# Altium PCB DM2097_R0M0E0.PcbDoc (part 6 of 7) (continued)
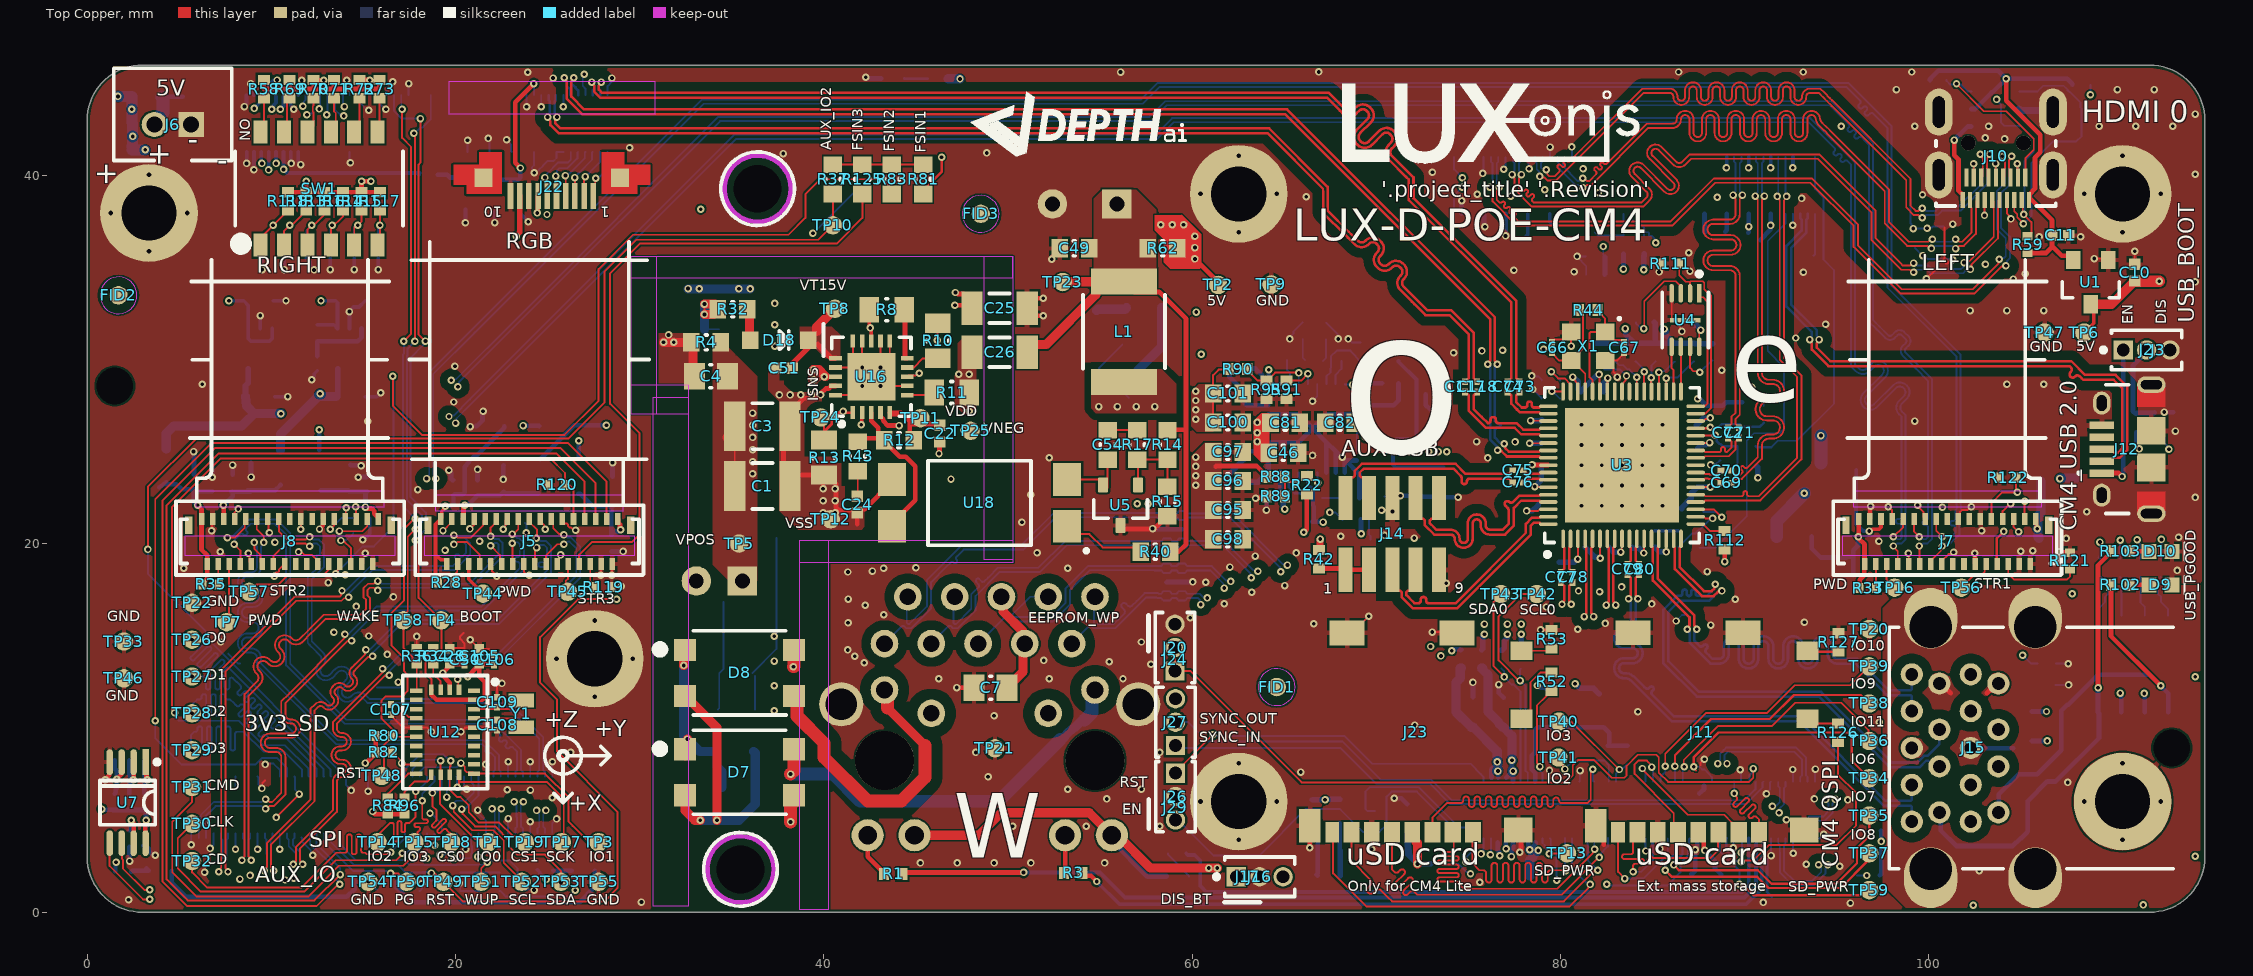
[diagram p0: Top Copper view]
## Nets (pads, with @x,y where several pads share a name; then routed paths per layer and width w, separated by ;. In a path a pad name is that pad's centre, name@x,y a point inside that pad or via, vN(x,y) a via of type N, cw(c..) or ccw(c..) an arc to the next point about the centre after c; other vN are vias at no path point) (continued)
SSTX1'_N: C74.1 U3.53 | length 3
  Top Copper w0.135: C74.1@77.14,28.25 77.14,28.23 77.232,28.138 77.258,28.138 77.337,28.058 77.337,27.611 77.647,27.301 77.647,27.297
  Top Copper w0.139: 77.647,27.297 77.798,27.146 78.863,27.146 78.933,27.076 U3.53@79.351,27.076
SSTX1'_P: C73.1 U3.52 | length 3
  Top Copper w0.135: C73.1@77.79,28.25 77.79,28.23 77.698,28.138 77.672,28.138 77.592,28.058 77.592,27.716 77.902,27.407 77.906,27.407
  Top Copper w0.139: 77.906,27.407 78,27.407 78.069,27.407 ccw(c78.069,27.545) 78.208,27.545 78.208,27.611 cw(c78.329,27.611) 78.451,27.611 78.451,27.545 ccw(c78.589,27.545) 78.589,27.407 78.844,27.407 78.863,27.407 78.933,27.476 U3.52@79.351,27.476
SSTX1_N: C74.2 J21.96 | length 64.9
  Top Copper w0.139: v1(27.406,45.078) 27.406,45.006 27.531,44.881 27.531,44.56 27.853,44.237 67.322,44.237 68.027,43.532 68.167,43.393 ; 68.168,43.391 ccw(c68.555,43.779) 68.943,43.392 69.07,43.52 cw(c69.276,43.316) 69.481,43.52 69.525,43.476 cw(c69.321,43.271) 69.525,43.066 68.906,42.447 68.906,42.443 ccw(c69.331,42.097) 68.945,41.709 68.988,41.666 ccw(c69.377,42.052) 69.765,41.665 ; 69.765,41.665 70.345,42.245 ; 70.346,42.246 cw(c70.55,42.042) 70.755,42.246 70.8,42.201 cw(c70.596,41.996) 70.8,41.791 70.672,41.663 ccw(c71.059,41.275) 70.672,40.887 71.626,39.933 ; 71.627,39.932 71.767,39.792 71.767,38.673 77.336,33.104 77.336,29.002 77.254,28.921 77.231,28.921 77.14,28.83 C74.2@77.14,28.81
  Bottom Copper w0.139: v1(27.406,45.078) 27.406,45.023 27.531,44.898 27.531,44.667 27.513,44.649 27.481,44.649 27.46,44.628 J21.96@27.46,44.368
SSTX1_P: C73.2 J21.98 | length 64.9
  Top Copper w0.139: v1(27.914,45.078) 27.914,45.006 27.789,44.881 27.789,44.667 27.96,44.496 67.429,44.496 68.21,43.715 68.35,43.575 ccw(c68.555,43.779) 68.76,43.575 68.926,43.742 68.93,43.742 cw(c69.276,43.316) 69.664,43.703 69.708,43.659 cw(c69.321,43.271) 69.708,42.883 69.128,42.303 ccw(c69.331,42.097) 69.127,41.892 69.172,41.848 ccw(c69.377,42.052) 69.582,41.848 ; 69.582,41.848 70.201,42.467 70.205,42.467 cw(c70.55,42.042) 70.938,42.429 ; 70.855,41.48 ccw(c71.059,41.275) 70.855,41.07 71.809,40.116 ; 70.855,41.481 70.983,41.608 ccw(c70.596,41.996) 70.983,42.384 70.939,42.428 ; 71.81,40.115 71.95,39.975 72.026,39.899 72.026,39.648 72.026,38.78 77.594,33.211 77.594,29.002 77.676,28.921 77.699,28.921 77.79,28.83 C73.2@77.79,28.81
  Bottom Copper w0.139: J21.98@27.86,44.368 27.86,44.628 27.839,44.649 27.807,44.649 27.789,44.667 27.789,44.881 27.914,45.006 v1(27.914,45.078)
SSTX2'_N: C76.1 U3.62 | length 2.1
  Top Copper w0.139: C76.1@77.978,23.343 77.998,23.343 78.089,23.433 78.089,23.459 78.17,23.54 78.631,23.54 78.635,23.543 78.866,23.543 ; 78.344,23.546 78.863,23.546 78.866,23.543 ; U3.62@79.351,23.476 U3.62@78.934,23.476 ; 78.866,23.543 78.933,23.476 U3.62@78.934,23.476 ; 78.866,23.543 78.867,23.543 U3.62@78.934,23.476
SSTX2'_P: C75.1 U3.61 | length 1.5
  Top Copper w0.139: C75.1@77.979,24.003 77.999,24.003 78.089,23.912 78.089,23.887 78.17,23.806 78.521,23.806 78.525,23.809 78.867,23.809 78.934,23.876 U3.61@79.351,23.876
SSTX2_N: C76.2 J14.4 | length 10.8
  Top Copper w0.139: J14.4@69.605,22.492 69.605,23.312 69.295,23.623 69.184,23.623 69.103,23.704 69.103,23.864 69.327,24.089 69.403,24.089 71.811,24.089 74.128,24.089 74.199,24.089 74.592,23.696 cw(c74.489,23.592) 74.635,23.592 74.635,23.394 ccw(c74.781,23.394) 74.926,23.394 cw(c75.072,23.394) 75.072,23.54 75.543,23.54 77.226,23.54 77.307,23.459 77.307,23.433 77.398,23.343 C76.2@77.418,23.343
SSTX2_P: C75.2 J14.2 | length 10.8
  Top Copper w0.139: J14.2@68.335,22.492 68.335,23.312 68.646,23.623 68.756,23.623 68.837,23.704 68.837,23.974 69.217,24.354 69.403,24.354 71.811,24.354 74.309,24.354 74.858,23.806 77.227,23.806 77.308,23.887 77.308,23.912 77.399,24.003 C75.2@77.419,24.003
SSTX3'_N: C78.1 U3.2 | length 2
  Top Copper w0.139: 80.476,18.926 80.476,18.888 ; U3.2@80.551,20.276 80.551,19.858 80.481,19.789 80.481,18.893 80.476,18.888 ; C78.1@80.67,18.466 80.67,18.486 80.577,18.579 80.555,18.579 80.476,18.658 80.476,18.888
SSTX3'_P: C77.1 U3.1 | length 1.9
  Top Copper w0.139: C77.1@80.021,18.466 80.021,18.486 80.115,18.579 80.137,18.579 80.215,18.658 80.215,18.996 80.22,19.001 80.22,19.789 80.151,19.858 U3.1@80.151,20.276
SSTX3_N: C78.2 J15.8 | length 32.4
  Top Copper w0.139: v1(80.598,16.719) 80.598,16.791 80.476,16.912 80.476,17.255 80.479,17.257 80.479,17.715 80.56,17.796 80.58,17.796 80.67,17.886 C78.2@80.67,17.906
  Signal Layer 1 w0.102: v1(80.598,16.719) 80.598,16.658 80.447,16.507 80.447,14.845 80.561,14.731 80.597,14.695 80.689,14.603 ccw(c80.761,14.675) 80.833,14.603 80.854,14.623 cw(c80.926,14.551) 80.998,14.623 cw(c80.926,14.551) 80.998,14.479 80.978,14.459 ccw(c81.05,14.387) 80.978,14.314 81.122,14.17 81.158,14.134 83.564,11.728 93.338,11.728 95.436,9.63 95.515,9.551 95.545,9.522 ccw(c95.795,9.771) 96.045,9.522 96.24,9.717 cw(c96.636,9.322) 97.031,9.718 ; 97.032,9.717 cw(c96.636,9.323) 97.062,8.96 97.062,8.957 96.835,8.731 ccw(c97.085,8.481) 96.835,8.231 97.219,7.848 97.297,7.769 97.525,7.541 97.525,6.6 98.099,6.026 99.534,6.026 100.084,6.576 101.22,6.576 101.773,6.022 101.956,6.022 102.1,6.166 102.1,6.735 J15.8@102.285,6.919
SSTX3_P: C77.2 J15.9 | length 32.4
  Top Copper w0.139: C77.2@80.021,17.906 80.021,17.886 80.112,17.796 80.132,17.796 80.213,17.714 80.213,17.518 80.211,17.516 80.211,16.912 80.09,16.791 v1(80.09,16.719)
  Signal Layer 1 w0.102: v1(80.09,16.719) 80.09,16.658 80.241,16.507 80.241,14.76 81.012,13.988 83.479,11.522 93.253,11.522 95.291,9.484 95.369,9.406 95.399,9.376 ccw(c95.795,9.771) 96.191,9.376 96.386,9.572 cw(c96.636,9.322) 96.886,9.572 cw(c96.636,9.323) 96.886,9.073 ; 96.885,9.072 96.69,8.877 ccw(c97.085,8.481) 96.69,8.085 97.073,7.702 97.152,7.623 97.319,7.456 97.319,6.515 98.014,5.82 99.62,5.82 100.169,6.37 101.134,6.37 101.688,5.816 101.865,5.816 101.865,5.564 102.285,5.145 J15.9@102.285,4.919
SSTX4'_N: C80.1 U3.11 | length 1.5
  Top Copper w0.139: U3.11@84.151,20.276 84.151,19.86 84.083,19.792 84.083,19.56 84.093,19.551 84.093,19.089 84.174,19.008 84.187,19.008 84.277,18.918 C80.1@84.277,18.898
SSTX4'_P: C79.1 U3.10 | length 1.5
  Top Copper w0.139: C79.1@83.642,18.898 83.642,18.918 83.733,19.008 83.746,19.008 83.827,19.089 83.827,19.441 83.818,19.45 83.818,19.792 83.751,19.86 U3.10@83.751,20.276
SSTX4_N: C80.2 J15.17 | length 27.8
  Top Copper w0.139: v1(84.214,17.018) 84.214,17.09 84.093,17.212 84.093,18.146 84.174,18.227 84.187,18.227 84.277,18.318 C80.2@84.277,18.338
  Bottom Copper w0.139: v1(84.214,17.018) 84.093,16.897 84.093,16.453 84.093,16.441 84.086,16.434 84.086,15.689 cw(c83.547,15.689) 83.547,15.15 83.457,15.15 ccw(c83.457,14.877) 83.184,14.877 ccw(c83.457,14.877) 83.457,14.603 83.929,14.603 cw(c83.929,14.064) 84.468,14.064 cw(c83.929,14.064) 83.929,13.525 83.457,13.525 ccw(c83.457,13.252) 83.184,13.252 ccw(c83.457,13.252) 83.457,12.979 83.479,12.979 cw(c83.479,12.152) 84.063,12.736 84.359,12.441 84.571,12.228 84.62,12.179 ccw(c84.718,12.277) 84.816,12.179 84.863,12.226 cw(c84.948,12.141) 85.033,12.226 cw(c84.948,12.141) 85.033,12.056 84.986,12.009 ccw(c85.084,11.911) 84.986,11.813 85.609,11.191 85.658,11.142 86.154,10.646 93.072,10.646 97.666,6.052 99.004,6.052 99.085,6.133 J15.17@99.085,6.919
SSTX4_P: C79.2 J15.18 | length 27.8
  Top Copper w0.139: C79.2@83.642,18.338 83.642,18.318 83.733,18.227 83.746,18.227 83.827,18.146 83.827,17.212 83.706,17.09 v1(83.706,17.018)
  Bottom Copper w0.139: v1(83.706,17.018) 83.827,16.897 83.827,16.551 83.82,16.544 83.82,16.453 83.82,15.689 cw(c83.547,15.689) 83.547,15.416 83.457,15.416 ccw(c83.457,14.877) 82.918,14.877 ccw(c83.457,14.877) 83.457,14.338 83.929,14.338 cw(c83.929,14.064) 84.202,14.064 cw(c83.929,14.064) 83.929,13.791 83.457,13.791 ccw(c83.457,13.252) 82.918,13.252 ccw(c83.457,13.252) 83.457,12.713 83.479,12.713 cw(c83.479,12.152) 83.876,12.548 83.983,12.441 86.044,10.38 92.962,10.38 97.556,5.786 99.004,5.786 99.085,5.705 J15.18@99.085,4.919
SSXI: C67.2 R44.1 U3.47 X1.1 | length 6.7
  Top Copper w0.102: U3.47@81.751,28.276 81.751,28.882 81.589,29.044 81.589,31.449 81.649,31.509 X1.1@82.434,31.509 ; R44.1@82.009,32.69 82.009,32.64 82.434,32.215 X1.1@82.434,31.509 ; C67.2@83.464,30.938 83.464,30.958 83.355,31.067 82.926,31.067 82.484,31.509 X1.1@82.434,31.509
SSXO: C66.2 R44.2 U3.48 X1.3 | length 6.3
  Top Copper w0.102: C66.2@79.553,30.378 79.553,30.358 79.952,29.959 X1.3@80.584,29.959 X1.3@80.634,29.959 ; R44.2@81.009,32.69 81.233,32.466 81.233,32.342 81.236,32.338 81.236,30.611 81.033,30.408 81.033,30.358 X1.3@80.634,29.959 ; U3.48@81.351,28.276 81.351,29.242 X1.3@80.634,29.959
STRB2: J8.10 TP57.1 | length 5.1
  Top Copper w0.102: TP57.1@8.8,17.4 9.2,17.8 10.4,17.8 10.9,18.3 12.831,18.3 13.1,18.569 13.1,18.896 J8.10@13.12,18.916
STRBL: J7.10 TP56.1 | length 2.1
  Top Copper w0.102: TP56.1@101.775,17.625 102.396,18.246 102.796,18.246 103.049,18.499 103.049,18.845 J7.10@103.12,18.916
STROBE3: J5.10 TP45.1 | length 1.6
  Top Copper w0.102: TP45.1@26.1,17.4 25.993,17.507 25.993,17.993 26.12,18.12 J5.10@26.12,18.916
SWO: D16.2 T1.3 U16.18 | length 0.8
  Top Copper w0.5: v1(39.449,29.47) 39.716,29.47 v1@40.088,29.099
  other v1: 39.458,28.924 40.024,29.079
SYS_RST: J21.89 J22.6 | length 3.3
  Top Copper w0.102: v1(24.858,39.894) 24.858,39.824 24.989,39.693 J22.6@24.989,38.896
  Bottom Copper w0.102: v1(24.858,39.894) 24.858,39.976 24.964,40.081 24.964,40.088 25.591,40.715 26.115,40.715 26.26,40.86 J21.89@26.26,41.288
TCK: J21.97 J22.2 | length 2.8
  Top Copper w0.102: J22.2@26.989,38.896 26.989,39.806 27.05,39.868 v1(27.05,39.95)
  Bottom Copper w0.102: v1(27.05,39.95) 27.065,39.95 27.656,40.541 27.86,40.745 J21.97@27.86,41.288
TDI: J21.95 J22.3 | length 2.8
  Top Copper w0.102: v1(26.484,39.896) 26.484,38.901 J22.3@26.489,38.896
  Bottom Copper w0.102: v1(26.484,39.896) 26.484,39.932 26.66,40.108 26.66,40.112 27.422,40.874 27.422,41.25 J21.95@27.46,41.288
TDO: J21.91 J22.5 | length 3.2
  Top Copper w0.102: v1(25.45,39.975) 25.489,39.936 J22.5@25.489,38.896
  Bottom Copper w0.102: v1(25.45,39.975) 25.508,40.033 25.508,40.176 25.52,40.187 25.52,40.281 25.636,40.397 26.084,40.397 26.621,40.933 26.621,41.249 J21.91@26.66,41.288
TESTEN: R29.1 U3.51 | length 1.2
  Top Copper w0.102: v1(79.543,28.297) 79.564,28.276 U3.51@80.151,28.276
  Bottom Copper w0.102: v1(79.543,28.297) 79.573,28.297 R29.1@79.973,27.897
TMS: J21.99 J22.1 | length 2.9
  Top Copper w0.102: J22.1@27.489,38.896 27.59,38.997 27.488,39.099 27.59,39.201 27.59,39.815 v1(27.625,39.85)
  Bottom Copper w0.102: v1(27.625,39.85) 27.707,39.85 27.807,39.95 27.825,39.95 28.26,40.385 J21.99@28.26,41.288
TRD1_N: D1.1 D1.10 J4.2 J9.10 | length 64
  Signal Layer 1 w0.102: v1(60.474,16.71) 60.532,16.651 60.706,16.651 61.976,15.382 61.976,14.01 61.976,13.83 61.976,13.539 62.319,13.195 ccw(c62.667,13.541) 63.015,13.195 63.024,13.203 ; 63.024,13.203 cw(c63.186,13.042) 63.348,12.879 62.816,12.348 ccw(c63.163,12) 62.815,11.654 ccw(c63.163,12) 62.816,11.653 ccw(c63.163,12) 62.817,11.651 ccw(c63.163,12) 63.467,11.614 63.472,11.614 64.042,12.185 cw(c64.205,12.023) 64.367,11.861 ; 64.366,11.86 63.835,11.329 ccw(c64.181,10.981) 64.485,10.596 64.49,10.596 65.06,11.166 cw(c65.223,11.005) 65.385,10.842 ; 65.384,10.842 64.853,10.311 ccw(c65.2,9.963) 65.504,9.578 65.508,9.578 66.079,10.148 cw(c66.242,9.986) 66.404,10.149 cw(c66.242,9.986) 66.403,9.824 ; 66.403,9.823 65.872,9.292 ccw(c66.218,8.944) 66.522,8.559 66.527,8.559 67.097,9.129 ; 67.097,9.13 cw(c67.26,8.968) 67.422,8.806 ; 67.421,8.805 66.89,8.274 ccw(c67.237,7.926) 67.541,7.541 67.545,7.541 68.116,8.111 cw(c68.278,7.95) 68.44,7.787 ; 68.44,7.787 67.909,7.255 ccw(c68.255,6.908) 67.907,6.562 ccw(c68.255,6.908) 67.908,6.561 ccw(c68.255,6.908) 67.909,6.559 ccw(c68.255,6.908) 68.559,6.522 68.564,6.522 69.134,7.093 cw(c69.297,6.931) 69.459,6.769 ; 69.458,6.768 68.927,6.237 ccw(c69.273,5.889) 69.577,5.504 69.582,5.504 69.633,5.555 cw(c69.796,5.394) 69.958,5.556 ; 69.959,5.555 70.087,5.427 70.489,5.025 88.068,5.025 88.07,5.028 91.325,5.028 91.639,5.342 91.816,5.342 v1(91.875,5.4)
  Bottom Copper w0.102: J4.2@53.46,14.589 54.422,15.55 54.506,15.55 54.632,15.423 55.843,15.423 57.517,17.098 58.054,17.098 58.089,17.063 58.325,17.063 58.385,17.003 58.385,16.976 58.434,16.927 D1.1@58.616,16.927 58.799,16.927 58.848,16.976 58.848,17.003 58.908,17.063 59.16,17.063 59.22,17.003 59.22,16.976 59.269,16.927 D1.10@59.451,16.927 59.634,16.927 59.683,16.976 59.683,17.003 59.743,17.063 59.979,17.063 59.981,17.065 60.316,17.065 60.423,16.958 60.423,16.761 v1(60.474,16.71) ; v1(91.875,5.4) 91.888,5.414 91.888,5.612 92.145,5.868 92.145,6.753 92.231,6.839 J9.10@92.231,7.089
TRD1_P: D1.2 D1.9 J4.1 J9.12 | length 64.1
  Signal Layer 1 w0.102: v1(60.833,17.069) 60.891,17.01 60.891,16.836 62.237,15.49 62.237,14.272 62.237,13.83 62.237,13.647 62.505,13.379 ccw(c62.667,13.541) 62.83,13.379 62.839,13.388 cw(c63.186,13.042) 63.572,12.738 63.572,12.733 63.001,12.163 ccw(c63.163,12) 63.001,11.838 ccw(c63.163,12) 63.325,11.838 ; 63.326,11.838 63.857,12.37 cw(c64.205,12.023) 64.59,11.719 64.59,11.714 64.02,11.144 ccw(c64.181,10.981) 64.344,10.819 ; 64.344,10.82 64.875,11.351 cw(c65.223,11.005) 65.609,10.701 65.609,10.696 65.038,10.126 ccw(c65.2,9.963) 65.362,9.801 ; 65.363,9.802 65.894,10.333 cw(c66.242,9.986) 66.588,10.334 ; 66.381,8.783 cw(c66.218,8.944) 66.056,9.107 66.627,9.678 66.627,9.682 ccw(c66.242,9.986) 66.589,10.333 ; 66.381,8.783 66.912,9.314 cw(c67.26,8.968) 67.645,8.664 67.645,8.659 67.075,8.089 ; 67.075,8.089 ccw(c67.237,7.926) 67.399,7.764 ; 67.4,7.765 67.931,8.296 cw(c68.278,7.95) 68.664,7.646 68.664,7.641 68.094,7.07 ccw(c68.255,6.908) 68.093,6.746 ccw(c68.255,6.908) 68.417,6.746 68.949,7.278 cw(c69.297,6.931) 69.682,6.627 69.682,6.622 69.112,6.052 ccw(c69.273,5.889) 69.436,5.727 ; 69.436,5.728 69.449,5.74 cw(c69.796,5.394) 70.144,5.74 70.272,5.612 70.597,5.287 87.961,5.287 87.964,5.285 91.218,5.285 91.457,5.523 91.457,5.701 v1(91.516,5.759)
  Bottom Copper w0.102: J4.1@54.73,17.129 54.667,17.066 54.667,15.712 54.727,15.652 55.748,15.652 56.093,15.997 56.307,16.211 ccw(c56.2,16.319) 56.307,16.427 56.202,16.532 cw(c56.31,16.639) 56.202,16.747 cw(c56.31,16.639) 56.418,16.747 56.523,16.642 ccw(c56.631,16.75) 56.738,16.642 56.99,16.894 57.423,17.327 58.148,17.327 58.183,17.292 58.325,17.292 58.385,17.351 58.385,17.378 58.434,17.427 D1.2@58.616,17.427 58.799,17.427 58.848,17.378 58.848,17.351 58.908,17.292 59.16,17.292 59.22,17.351 59.22,17.378 59.269,17.427 D1.9@59.451,17.427 59.634,17.427 59.683,17.378 59.683,17.351 59.743,17.292 59.885,17.292 59.887,17.294 60.41,17.294 60.584,17.12 60.782,17.12 v1(60.833,17.069) ; v1(91.516,5.759) 91.529,5.773 91.727,5.773 91.917,5.963 91.917,6.753 91.831,6.839 J9.12@91.831,7.089
TRD2_N: D1.4 D1.7 J4.6 J9.6 | length 66.1
  Signal Layer 1 w0.102: v1(61.747,17.602) 61.806,17.544 61.98,17.544 63.449,16.075 63.449,14.569 63.638,14.38 63.766,14.252 ccw(c64.114,14.599) 64.461,14.252 64.53,14.321 cw(c64.693,14.16) 64.855,13.997 ; 64.855,13.997 64.554,13.696 ccw(c64.9,13.348) 65.204,12.963 65.209,12.963 65.549,13.303 cw(c65.712,13.141) 65.874,13.304 cw(c65.712,13.141) 65.874,12.979 ; 65.873,12.978 65.572,12.678 ccw(c65.919,12.33) 66.223,11.945 66.228,11.945 66.567,12.284 cw(c66.73,12.123) 66.892,11.961 ; 66.891,11.96 66.591,11.659 ccw(c66.937,11.312) 67.241,10.926 67.246,10.926 67.586,11.266 cw(c67.749,11.105) 67.91,10.942 ; 67.91,10.942 67.609,10.641 ccw(c67.956,10.293) 67.607,9.947 ccw(c67.956,10.293) 67.609,9.946 ccw(c67.956,10.293) 67.61,9.945 ccw(c67.956,10.293) 68.26,9.908 68.264,9.908 68.604,10.248 cw(c68.767,10.086) 68.929,9.924 ; 68.928,9.923 68.628,9.623 ccw(c68.974,9.275) 69.278,8.889 69.283,8.889 69.623,9.229 ; 69.623,9.229 cw(c69.785,9.068) 69.947,8.905 69.878,8.836 ccw(c70.224,8.488) 69.878,8.14 70.284,7.734 70.497,7.521 74.34,7.521 75.536,6.325 87.916,6.325 88.927,7.335 88.927,7.869 89.05,7.993 v1(89.05,8.075)
  Bottom Copper w0.102: J4.6@48.38,14.589 49.875,16.084 49.959,16.084 50.019,16.024 50.019,15.988 50.212,15.795 52.456,15.795 53.363,16.702 53.363,17.49 54.444,18.571 57.936,18.571 57.945,18.563 58.325,18.563 58.385,18.503 58.385,18.476 58.434,18.427 D1.4@58.616,18.427 58.799,18.427 58.848,18.476 58.848,18.503 58.908,18.563 59.16,18.563 59.22,18.503 59.22,18.476 59.269,18.427 D1.7@59.451,18.427 59.634,18.427 59.683,18.476 59.683,18.503 59.743,18.563 60.984,18.563 61.696,17.851 61.696,17.653 v1(61.747,17.602) ; v1(89.05,8.075) 89.05,8.147 88.91,8.287 88.91,8.523 89.098,8.711 ; 89.098,8.712 90.6,8.712 91.875,8.712 92.71,8.712 93.117,8.305 93.117,7.424 93.031,7.339 J9.6@93.031,7.089
TRD2_P: D1.5 D1.6 J4.3 J9.4 | length 66.2
  Signal Layer 1 w0.102: v1(62.107,17.961) 62.165,17.903 62.165,17.729 63.711,16.183 63.711,14.677 63.823,14.565 63.951,14.437 ccw(c64.114,14.599) 64.276,14.437 64.346,14.506 cw(c64.693,14.16) 65.079,13.856 65.079,13.851 64.739,13.511 ccw(c64.9,13.348) 65.063,13.187 ; 65.063,13.187 65.364,13.488 cw(c65.712,13.141) 66.058,13.489 ; 66.059,13.488 cw(c65.712,13.141) 66.097,12.837 66.097,12.833 65.757,12.493 ccw(c65.919,12.33) 66.081,12.168 ; 66.082,12.169 66.382,12.469 cw(c66.73,12.123) 67.116,11.819 67.116,11.814 66.776,11.474 ccw(c66.937,11.312) 67.1,11.15 ; 67.1,11.15 67.401,11.451 cw(c67.749,11.105) 68.134,10.801 68.134,10.796 67.794,10.456 ccw(c67.956,10.293) 67.794,10.131 ccw(c67.956,10.293) 68.118,10.131 ; 68.119,10.132 68.419,10.433 ; 68.419,10.433 cw(c68.767,10.086) 69.152,9.782 69.152,9.777 68.813,9.438 ccw(c68.974,9.275) 69.136,9.113 ; 69.137,9.113 69.438,9.414 cw(c69.785,9.068) 70.171,8.764 70.171,8.759 70.063,8.651 ; 70.063,8.651 ccw(c70.224,8.488) 70.062,8.326 70.469,7.919 70.605,7.783 74.448,7.783 75.645,6.586 87.808,6.586 88.665,7.444 88.665,7.869 88.542,7.993 v1(88.542,8.075)
  Bottom Copper w0.102: J4.3@52.19,17.129 51.209,17.129 50.247,16.167 50.247,16.083 50.307,16.023 52.361,16.023 53.135,16.797 53.135,17.585 54.349,18.8 58.031,18.8 58.039,18.792 58.325,18.792 58.385,18.851 58.385,18.878 58.434,18.927 D1.5@58.616,18.927 58.799,18.927 58.848,18.878 58.848,18.851 58.908,18.792 59.16,18.792 59.22,18.851 59.22,18.878 59.269,18.927 D1.6@59.451,18.927 59.634,18.927 59.683,18.878 59.683,18.851 59.743,18.792 61.079,18.792 61.858,18.012 62.056,18.012 v1(62.107,17.961) ; v1(88.542,8.075) 88.542,8.147 88.682,8.287 88.682,8.618 88.87,8.806 ; 88.87,8.807 89.004,8.941 92.805,8.941 93.345,8.4 93.345,7.424 93.431,7.339 J9.4@93.431,7.089
TRD3_N: D2.5 D2.6 J4.8 J9.9 | length 66.8
  Signal Layer 1 w0.102: v1(63.221,18.161) 63.279,18.103 63.453,18.103 64.821,16.735 64.821,16.114 71.994,8.941 90.078,8.941 90.08,8.943 90.37,8.943 90.8,8.943 91.118,8.625 cw(c91.028,8.535) 91.118,8.445 91.021,8.347 ccw(c91.111,8.257) 91.021,8.167 ccw(c91.111,8.257) 91.202,8.167 91.299,8.264 cw(c91.389,8.173) 91.48,8.264 91.699,8.044 91.699,7.583 91.699,7.138 92.95,5.887 92.95,4.187 93.069,4.068 93.105,4.032 93.285,3.852 cw(c93.195,3.761) 93.285,3.671 93.261,3.647 ccw(c93.351,3.556) 93.261,3.466 ccw(c93.351,3.556) 93.442,3.466 93.466,3.49 cw(c93.556,3.4) 93.647,3.49 cw(c93.556,3.4) 93.647,3.31 93.623,3.285 ccw(c93.713,3.195) 93.623,3.104 ccw(c93.713,3.195) 93.803,3.104 93.828,3.129 cw(c93.918,3.038) 94.008,3.129 94.151,2.986 94.151,2.805 94.151,2.783 94.025,2.657 v1(94.025,2.575)
  Bottom Copper w0.102: J4.8@45.84,14.589 46.802,15.55 46.886,15.55 47.012,15.423 47.286,15.423 48.241,16.379 48.241,17.162 49.556,18.476 51.75,18.476 53.199,19.925 58.351,19.925 58.41,19.865 58.41,19.838 58.46,19.789 D2.6@58.642,19.789 58.825,19.789 58.874,19.838 58.874,19.865 58.933,19.925 59.186,19.925 59.245,19.865 59.245,19.838 59.295,19.789 D2.5@59.477,19.789 59.66,19.789 59.709,19.838 59.709,19.865 59.768,19.925 61.654,19.925 63.17,18.41 63.17,18.212 v1(63.221,18.161) ; J9.9@92.231,4.009 92.231,3.759 92.145,3.673 92.145,3.288 92.142,3.284 92.142,2.258 92.699,1.701 93.685,1.701 94.168,2.184 94.168,2.363 94.025,2.506 v1(94.025,2.575)
TRD3_P: D2.4 D2.7 J4.7 J9.11 | length 67.1
  Signal Layer 1 w0.102: v1(63.58,18.52) 63.638,18.462 63.638,18.288 65.082,16.843 65.082,16.222 72.102,9.202 90.184,9.202 90.186,9.2 90.906,9.2 91.956,8.15 91.956,7.244 93.207,5.993 93.207,4.293 94.407,3.093 94.407,2.783 94.533,2.657 v1(94.533,2.575)
  Bottom Copper w0.102: J4.7@47.11,17.129 47.047,17.066 47.047,15.712 47.107,15.652 47.191,15.652 48.013,16.474 48.013,17.257 48.104,17.348 48.405,17.649 ccw(c48.324,17.73) 48.405,17.811 48.296,17.919 cw(c48.377,18) 48.296,18.081 cw(c48.377,18) 48.458,18.081 48.567,17.972 ccw(c48.647,18.053) 48.728,17.972 48.926,18.17 49.461,18.705 51.656,18.705 53.104,20.153 58.351,20.153 58.41,20.213 58.41,20.24 58.46,20.289 D2.7@58.642,20.289 58.825,20.289 58.874,20.24 58.874,20.213 58.933,20.153 59.186,20.153 59.245,20.213 59.245,20.24 59.295,20.289 D2.4@59.477,20.289 59.66,20.289 59.709,20.24 59.709,20.213 59.768,20.153 61.749,20.153 63.331,18.571 63.529,18.571 v1(63.58,18.52) ; J9.11@91.831,4.009 91.831,3.759 91.917,3.673 91.917,3.288 91.92,3.284 91.92,2.166 92.608,1.479 93.777,1.479 94.39,2.092 94.39,2.363 94.533,2.506 v1(94.533,2.575)
TRD4_N: D2.2 D2.9 J4.10 J9.5 | length 67.7
  Signal Layer 1 w0.102: v1(64.821,18.491) 64.879,18.433 65.053,18.433 69.143,14.343 69.271,14.215 ccw(c69.619,14.562) 69.966,14.215 70.156,14.405 ; 70.156,14.405 cw(c70.319,14.244) 70.481,14.081 70.291,13.891 ccw(c70.637,13.543) 70.291,13.196 71.293,12.193 73.481,10.006 73.488,10.006 73.554,9.939 92.523,9.939 93.147,9.315 93.364,9.098 cw(c93.292,9.026) 93.364,8.955 ; 93.363,8.954 ccw(c93.408,8.909) 93.363,8.863 93.453,8.773 ccw(c93.499,8.818) 93.544,8.773 ; 93.545,8.774 cw(c93.616,8.702) 93.688,8.774 94.065,8.397 94.545,7.917 94.545,6.335 94.417,6.207 v1(94.417,6.125)
  Bottom Copper w0.102: J4.10@43.3,14.589 44.262,15.55 44.346,15.55 44.472,15.423 44.746,15.423 45.829,16.506 45.829,17.925 46.692,18.788 46.889,18.985 cw(c46.97,18.904) 47.051,18.985 ccw(c47.132,19.066) 47.213,18.985 ccw(c47.132,19.066) 47.213,19.147 cw(c47.294,19.228) 47.213,19.308 47.591,19.687 48.37,19.687 50.828,19.687 52.59,21.45 58.096,21.45 58.207,21.338 58.593,21.338 D2.9@58.642,21.289 58.825,21.289 58.874,21.338 58.874,21.365 58.933,21.425 59.186,21.425 59.245,21.365 59.245,21.338 59.295,21.289 D2.2@59.477,21.289 59.66,21.289 59.709,21.338 59.709,21.365 59.768,21.425 62.085,21.425 64.77,18.74 64.77,18.542 v1(64.821,18.491) ; J9.5@93.031,4.259 93.12,4.348 93.12,4.8 93.511,5.191 94.266,5.191 94.56,5.485 94.56,5.913 94.417,6.056 v1(94.417,6.125)
TRD4_P: D2.1 D2.10 J4.9 J9.3 | length 67.7
  Signal Layer 1 w0.102: v1(65.18,18.85) 65.238,18.792 65.238,18.618 69.328,14.528 69.456,14.4 ccw(c69.619,14.562) 69.781,14.4 ; 69.781,14.4 69.971,14.59 cw(c70.319,14.244) 70.704,13.94 70.704,13.935 70.476,13.706 ccw(c70.637,13.543) 70.475,13.381 71.478,12.378 73.661,10.195 92.63,10.195 93.329,9.496 94.801,8.024 94.801,6.331 94.925,6.207 v1(94.925,6.125)
  Bottom Copper w0.102: J4.9@44.57,17.129 44.507,17.066 44.507,15.712 44.567,15.652 44.651,15.652 45.6,16.601 45.6,18.019 47.497,19.916 50.733,19.916 52.495,21.678 58.146,21.678 58.207,21.74 58.593,21.74 D2.10@58.642,21.789 58.825,21.789 58.874,21.74 58.874,21.713 58.933,21.653 59.186,21.653 59.245,21.713 59.245,21.74 59.295,21.789 D2.1@59.477,21.789 59.66,21.789 59.709,21.74 59.709,21.713 59.768,21.653 62.18,21.653 64.931,18.901 65.129,18.901 v1(65.18,18.85) ; J9.3@93.431,4.009 93.431,4.259 93.342,4.348 93.342,4.709 93.602,4.969 94.357,4.969 94.782,5.393 94.782,5.913 94.925,6.056 v1(94.925,6.125)
TRST: J21.93 J22.4 | length 2.9
  Top Copper w0.102: v1(25.975,40) 25.989,39.986 J22.4@25.989,38.896
  Bottom Copper w0.102: v1(25.975,40) 26.057,40 26.165,40.108 26.186,40.108 26.193,40.108 26.336,40.252 27.021,40.936 27.021,41.249 J21.93@27.06,41.288
TVDAC: J13.11
USB3_LED: D9.2 R102.1 | length 1.1
  Top Copper w0.254: R102.1@110.903,17.777 111.939,17.777 D9.2@111.956,17.76
USB4_LED: D10.2 R103.1 | length 1.1
  Top Copper w0.254: R103.1@110.903,19.605 111.913,19.605 D10.2@111.964,19.554
USB_GND: C90.2 J15.Shell R110.2 | length 27.5
  GND 2 w0.5: v1(107.581,13.499) v1@107.581,13.693
  GND 2 w1: J15.Shell@105.785,2.349 107.581,4.145 v1(107.581,13.499) ; J15.Shell@105.785,15.489 v1@107.581,13.693
  GND 2 w2: J15.Shell@100.105,2.349 100.204,2.25 104.573,2.25 104.576,2.246 105.682,2.246 J15.Shell@105.785,2.349 ; J15.Shell@100.105,15.489 J15.Shell@105.785,15.489
  Bottom Copper w0.102: C90.2@106.875,12.33 106.889,12.344 v1(107.601,12.344) ; R110.2@106.923,13.5 106.924,13.499 v1(107.581,13.499)
  other v1: 102.75,2.25 107.549,7.048
USB_OTGID: J13.1 R64.2 | length 2.3
  Bottom Copper w0.102: R64.2@93.751,35.654 93.831,35.733 J13.1@93.831,37.928
USB_SPI_CLK: U3.35 U4.6 | length 2.4
  Top Copper w0.102: U4.6@86.542,30.706 86.546,30.701 86.546,28.281 U3.35@86.551,28.276
USB_SPI_CS: U3.34 U4.1 | length 7
  Top Copper w0.102: U3.34@87.351,27.476 87.369,27.495 87.872,27.495 87.986,27.609 87.986,33.163 87.756,33.393 87.612,33.393 87.542,33.463 U4.1@87.542,33.607
USB_SPI_HOLD: R49.1 U4.7 | length 2.7
  Top Copper w0.102: U4.7@87.042,30.706 87.042,29.56 87.228,29.374 87.515,29.374 v1(87.573,29.316)
  Bottom Copper w0.102: v1(87.573,29.316) v1(87.573,29.316) 88.214,29.958 R49.1@88.264,29.958
USB_SPI_SI: U3.36 U4.5 | length 2.5
  Top Copper w0.102: U4.5@86.042,30.706 86.042,29.543 86.151,29.435 U3.36@86.151,28.276
USB_SPI_SO: R111.2 U3.33 U4.2 | length 10.7
  Top Copper w0.102: R111.2@86.429,35.223 86.457,35.195 86.457,34.593 86.815,34.235 87.042,34.235 ; U4.2@87.042,33.607 87.042,34.235 ; U3.33@87.351,27.076 87.365,27.091 87.89,27.091 88.189,27.39 88.189,33.464 87.815,33.838 87.815,34.176 87.726,34.265 87.071,34.265 87.042,34.235
USB_SPI_WP: R48.1 U4.3 | length 5
  Top Copper w0.102: v1(84.528,31.697) 84.557,31.726 84.557,33.183 85.638,34.265 86.268,34.265 86.542,33.991 U4.3@86.542,33.607
  Bottom Copper w0.102: R48.1@84.107,32.029 84.107,31.979 84.332,31.755 84.47,31.755 v1(84.528,31.697)
USBD1_N: J21.90 U3.59 | length 67.2
  Top Copper w0.139: 26.036,45.124 26.036,44.186 26.881,43.341 65.049,43.341 76.187,32.203 76.187,29.957 76.062,29.832 v1(76.062,29.76) ; 76.818,25.03 77.101,24.747 78.863,24.747 78.934,24.676 U3.59@79.351,24.676
  Bottom Copper w0.139: v1(25.911,45.321) 25.911,45.249 26.036,45.124 26.036,44.874 26.239,44.671 26.239,44.389 J21.90@26.26,44.368 ; v1(76.062,29.76) 76.187,29.635 76.187,25.661 76.54,25.308 76.54,25.132 v1(76.591,25.081)